# Altium PCB HIVE_BOARD_PCB ASCII REV Project_PCB_Rev.Project_SCH_Rev.PcbDoc (part 2 of 9) (continued)
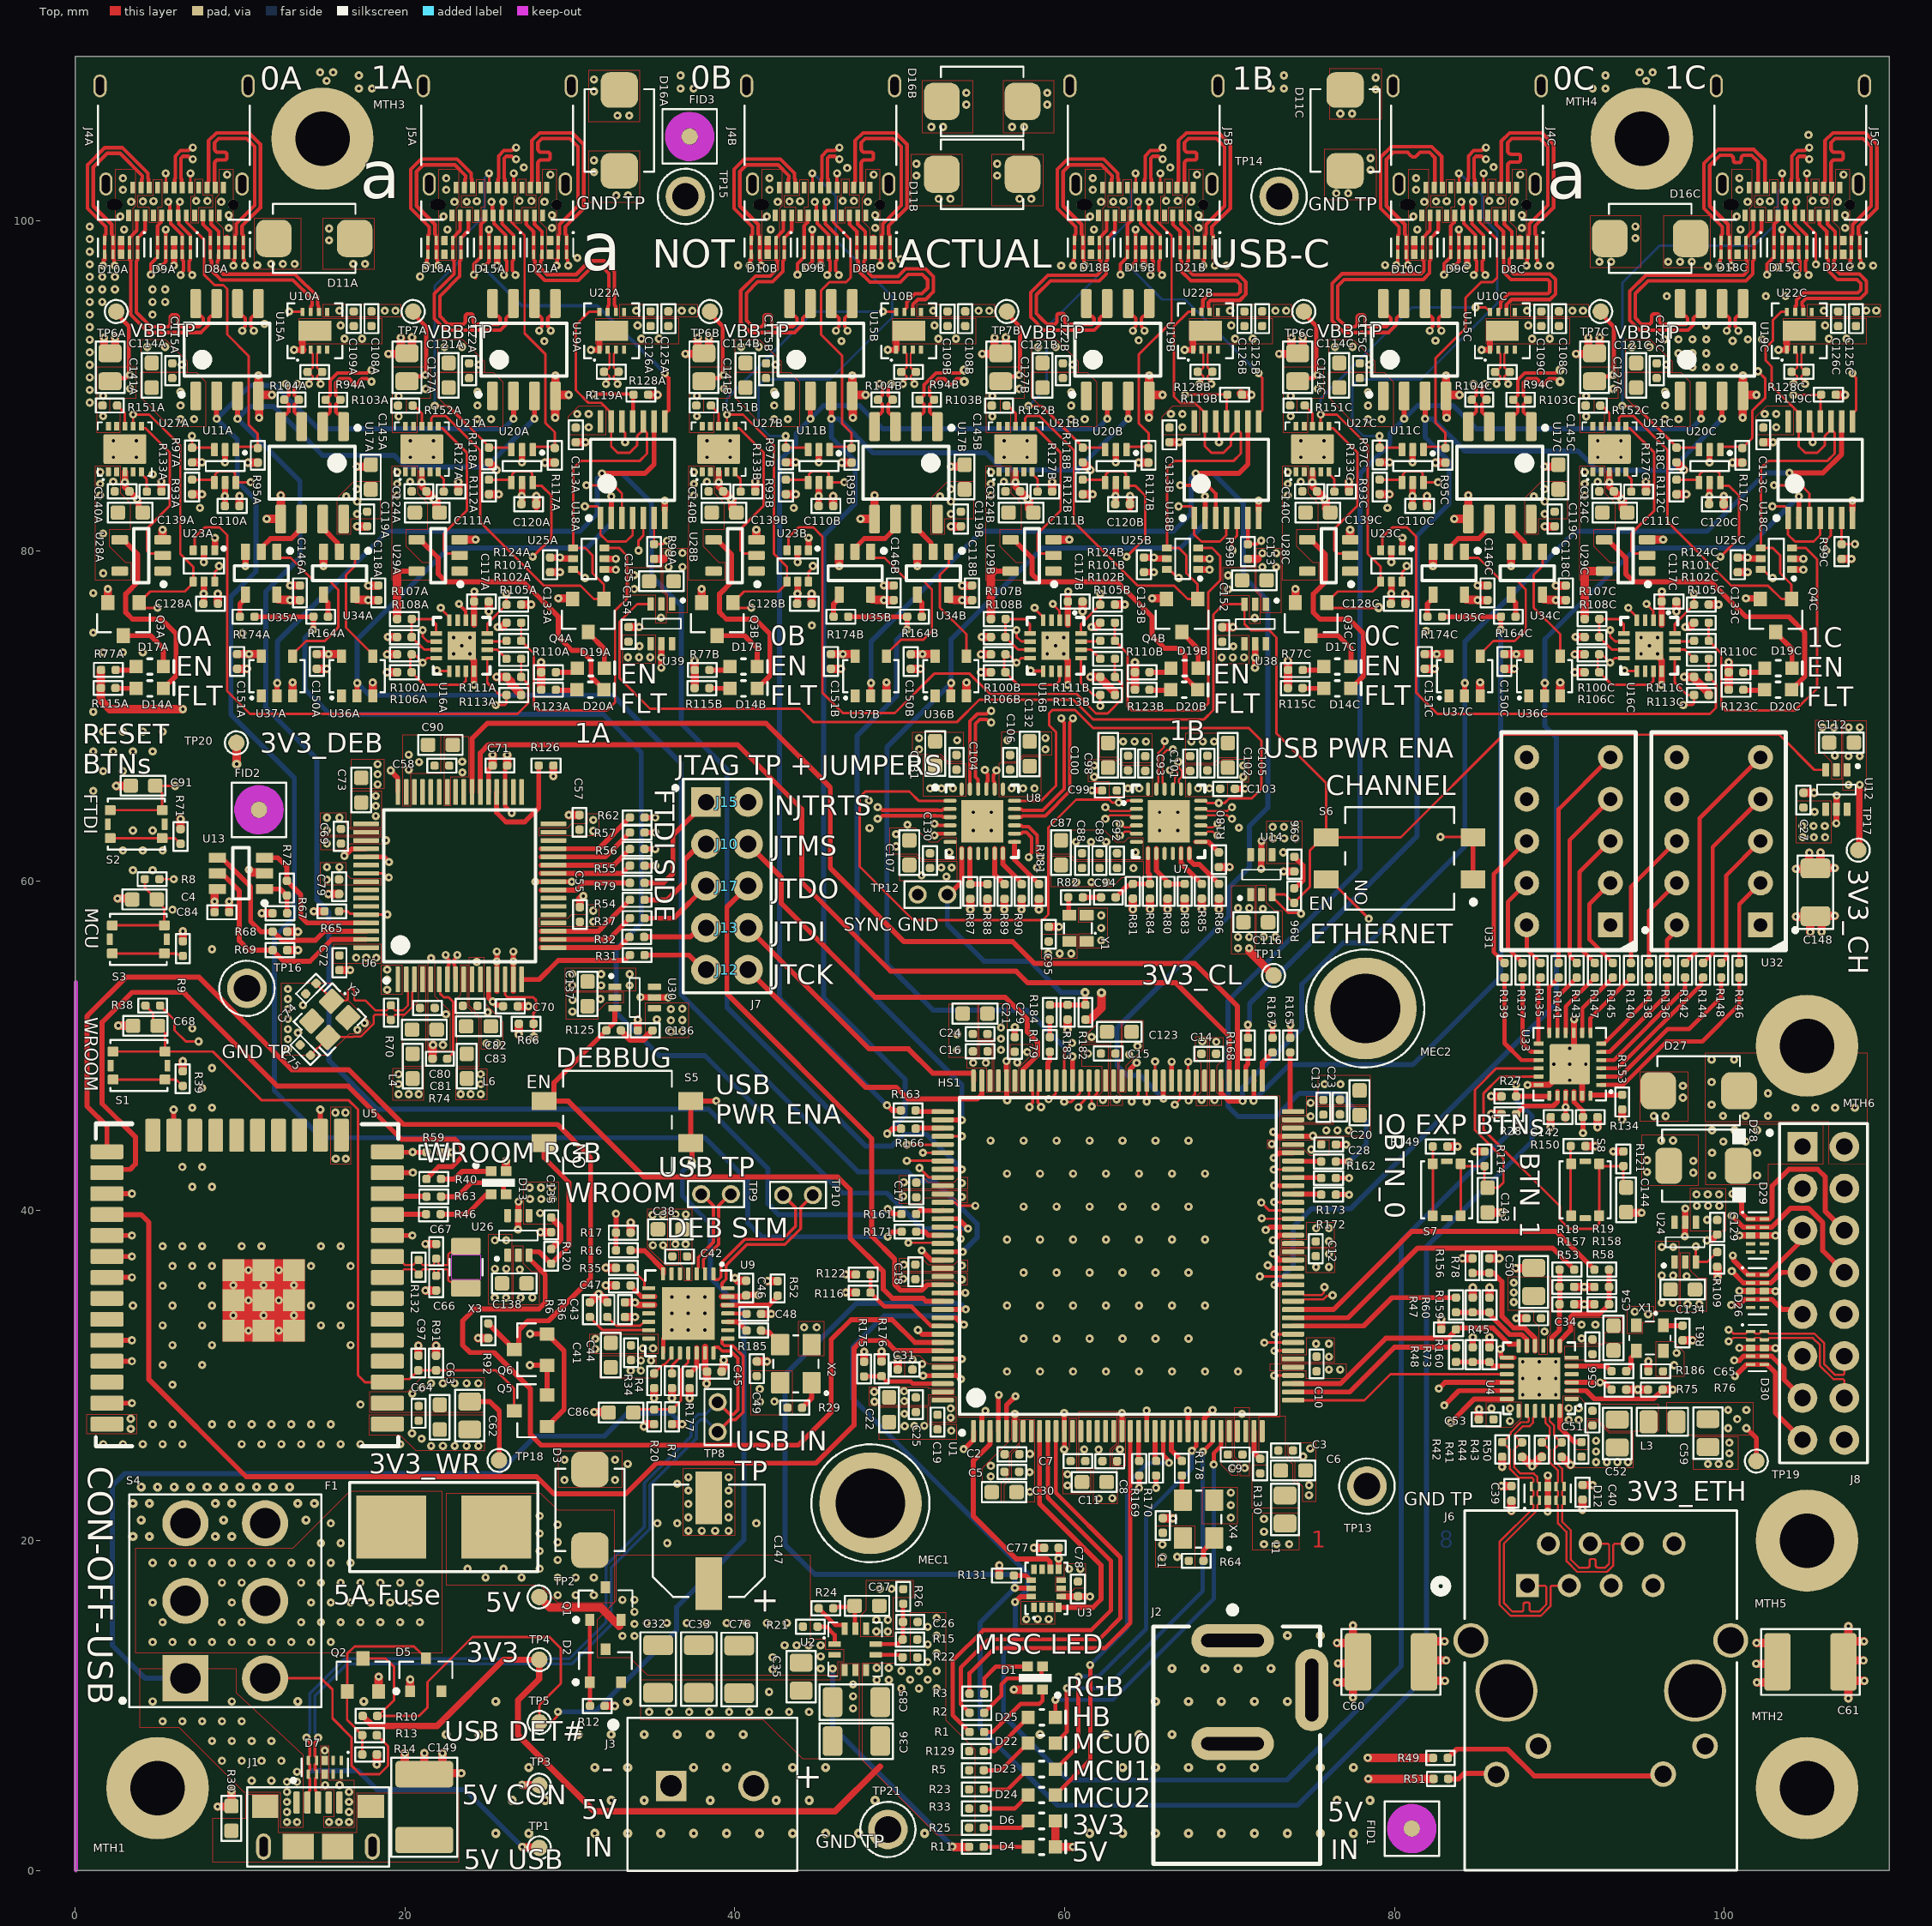
[diagram p0: Top view]
## Components (designator, comment, footprint, x,y, rotation, side; value= is the part's Value field where it differs from the comment) (continued)
R124A "RC0402FR-0710KL" RES_0402 26.601,76.75 r180 top (schematic designator R124)
R124B "RC0402FR-0710KL" RES_0402 62.601,76.75 r180 top (schematic designator R124)
R124C "RC0402FR-0710KL" RES_0402 98.601,76.75 r180 top (schematic designator R124)
R125 "RC0402FR-0710KL" RES_0402 32.65,50.935 r180 top
R126 "RC0402FR-0710KL" RES_0402 28.555,66.995 r0 top
R127A "RC0402FR-0710KL" RES_0402 22.795,83.604 r0 top (schematic designator R127)
R127B "RC0402FR-0710KL" RES_0402 58.795,83.604 r0 top (schematic designator R127)
R127C "RC0402FR-0710KL" RES_0402 94.795,83.604 r0 top (schematic designator R127)
R128A "RC0402FR-07100RP" RES_0402 32.51,90.865 r0 top (schematic designator R128)
R128B "RC0402FR-07100RP" RES_0402 68.51,90.865 r0 top (schematic designator R128)
R128C "RC0402FR-07100RP" RES_0402 104.51,90.865 r0 top (schematic designator R128)
R129 "ERJ-2RKF4750X" RES_0402 54.65,7.239 r0 top
R130 "RC0402FR-0747RL" RES_0402 71.854,24.52 r90 top
R131 "RC0402FR-0710KL" RES_0402 56.475,17.885 r0 top
R132 "RC0402FR-071ML" RES_0402 20.828,36.577 r270 top
R133A "RC0402FR-0710KL" RES_0402 4.795,83.604 r0 top (schematic designator R133)
R133B "RC0402FR-0710KL" RES_0402 40.795,83.604 r0 top (schematic designator R133)
R133C "RC0402FR-0710KL" RES_0402 76.795,83.604 r0 top (schematic designator R133)
R134 "RC0402FR-0710KL" RES_0402 91.864,45.681 r0 top
R135 "RC0402FR-07150RL" RES_0402 88.854,54.582 r90 top
R136 "RC0402FR-07150RL" RES_0402 96.517,54.582 r90 top
R137 "RC0402FR-07150RL" RES_0402 87.759,54.582 r90 top
R138 "RC0402FR-07150RL" RES_0402 95.423,54.582 r90 top
R139 "RC0402FR-07150RL" RES_0402 86.664,54.582 r90 top
R140 "RC0402FR-07150RL" RES_0402 94.328,54.582 r90 top
R141 "RC0402FR-07150RL" RES_0402 89.949,54.582 r90 top
R142 "RC0402FR-07150RL" RES_0402 97.612,54.582 r90 top
R143 "RC0402FR-07150RL" RES_0402 91.043,54.582 r90 top
R144 "RC0402FR-07150RL" RES_0402 98.707,54.582 r90 top
R145 "RC0402FR-07150RL" RES_0402 93.233,54.582 r90 top
R146 "RC0402FR-07150RL" RES_0402 100.897,54.582 r90 top
R147 "RC0402FR-07150RL" RES_0402 92.138,54.582 r90 top
R148 "RC0402FR-07150RL" RES_0402 99.802,54.582 r90 top
R149 "RC0402FR-07150RL" RES_0402 82.759,43.897 r180 top
R150 "RC0402FR-07150RL" RES_0402 91.124,43.922 r180 top
R151A "CRCW04023R48FKED" RES_0402 2.108,88.824 r0 top (schematic designator R151)
R151B "CRCW04023R48FKED" RES_0402 38.108,88.824 r0 top (schematic designator R151)
R151C "CRCW04023R48FKED" RES_0402 74.108,88.824 r0 top (schematic designator R151)
R152A "CRCW04023R48FKED" RES_0402 20.023,88.817 r0 top (schematic designator R152)
R152B "CRCW04023R48FKED" RES_0402 56.023,88.817 r0 top (schematic designator R152)
R152C "CRCW04023R48FKED" RES_0402 92.023,88.817 r0 top (schematic designator R152)
R153 "RC0402FR-0710KL" RES_0402 93.799,46.589 r270 top
R154A "RC0603JR-070RL" RES_0603 13,108.833 r180 bottom (schematic designator R154)
R154B "RC0603JR-070RL" RES_0603 38.25,108.833 r0 bottom (schematic designator R154)
R154C "RC0603JR-070RL" RES_0603 91.25,108.833 r180 bottom (schematic designator R154)
R155A "RC0603JR-070RL" RES_0603 18.75,108.833 r0 bottom (schematic designator R155)
R155B "RC0603JR-070RL" RES_0603 71.75,108.833 r180 bottom (schematic designator R155)
R155C "RC0603JR-070RL" RES_0603 97.5,108.833 r0 bottom (schematic designator R155)
R156 "RC0402FR-0710KL" RES_0402 84.725,36.667 r90 top
R157 "RC0402FR-0710KL" RES_0402 90.442,35.384 r180 top
R158 "RC0402FR-0710KL" RES_0402 92.56,35.379 r0 top
R159 "RC0402FR-0710KL" RES_0402 85.752,34.288 r270 top
R160 "RC0402FR-0710KL" RES_0402 85.752,31.274 r270 top
R161 "RC0402FR-0733RL" RES_0402 50.548,39.799 r0 top
R162 "RC0402FR-0733RL" RES_0402 75.995,42.983 r180 top
R163 "RC0402FR-0733RL" RES_0402 50.511,46.086 r180 top
R164A "RC0402FR-0733RL" RES_0402 14.893,76.016 r180 top (schematic designator R164)
R164B "RC0402FR-0733RL" RES_0402 50.893,76.016 r180 top (schematic designator R164)
R164C "RC0402FR-0733RL" RES_0402 86.893,76.016 r180 top (schematic designator R164)
R165 "RC0402FR-0733RL" RES_0402 73.672,50.042 r270 top
R166 "RC0402FR-0733RL" RES_0402 50.521,44.983 r180 top
R167 "RC0402FR-0733RL" RES_0402 72.599,50.042 r270 top
R168 "RC0402FR-0733RL" RES_0402 71.108,50.042 r270 top
R169 "RC0402FR-0733RL" RES_0402 64.516,24.384 r90 top
R170 "RC0402FR-0733RL" RES_0402 65.54,24.392 r90 top
R171 "RC0402FR-0733RL" RES_0402 50.559,38.735 r180 top
R172 "RC0402FR-0733RL" RES_0402 75.997,40.98 r0 top
R173 "RC0402FR-0733RL" RES_0402 75.997,41.986 r0 top
R174A "RC0402FR-0733RL" RES_0402 10.435,76.016 r0 top (schematic designator R174)
R174B "RC0402FR-0733RL" RES_0402 46.435,76.016 r0 top (schematic designator R174)
R174C "RC0402FR-0733RL" RES_0402 82.435,76.016 r0 top (schematic designator R174)
R175 "RC0402FR-0710KL" RES_0402 47.838,30.4 r90 top
R176 "RC0402FR-0710KL" RES_0402 48.893,30.417 r90 top
R177 "RC0402FR-0710KL" RES_0402 37.266,29.688 r90 top
R178 "RC0402FR-070RL" RES_0402 67.101,24.392 r90 top
R179 "RC0402FR-0733RL" RES_0402 59.101,50.082 r270 top
R180 "RC0402FR-0710KL" RES_0402 69.347,61.28 r270 top
R181 "RC0402FR-0710KL" RES_0402 58.438,59.357 r270 top
R182 "RC0402FR-071KL" RES_0402 61.258,52.038 r270 top
R183 "RC0402FR-071KL" RES_0402 60.179,52.04 r90 top
R184 "RC0402FR-070RL" RES_0402 59.101,52.038 r270 top
R185 "RC0402FR-070RL" RES_0402 41.151,32.741 r180 top
R186 "RC0402FR-070RL" RES_0402 93.601,30.277 r0 top
S1 "435171014816" SWI_TACT_435171014816 3.88,48.805 r180 top
S2 "435171014816" SWI_TACT_435171014816 3.708,63.44 r180 top
S3 "435171014816" SWI_TACT_435171014816 3.833,56.455 r180 top
S4 "500SDP1S1M2QEA" SWI_500SDP1S1M2QEA 9.107,16.353 r90 top
S5 "A6S-2104-H" SWI_A6S-2104-H 32.885,45.373 r180 top
S6 "A6S-2104-H" SWI_A6S-2104-H 80.302,61.365 r180 top
S7 "435171014816" SWI_TACT_435171014816 83.16,41.28 r90 top
S8 "435171014816" SWI_TACT_435171014816 91.557,41.274 r90 top
TP1 "1 MM" TPO_SMD_ROUND_1MM 28.143,1.375 r0 top
TP2 "1 MM" TPO_SMD_ROUND_1MM 28.143,16.586 r270 top
TP3 "1 MM" TPO_SMD_ROUND_1MM 28.143,5.178 r90 top
TP4 "1 MM" TPO_SMD_ROUND_1MM 28.143,12.783 r90 top
TP5 "1 MM" TPO_SMD_ROUND_1MM 28.143,8.98 r90 top
TP6A "1 MM" TPO_SMD_ROUND_1MM 2.498,94.518 r90 top (schematic designator TP6)
TP6B "1 MM" TPO_SMD_ROUND_1MM 38.498,94.518 r90 top (schematic designator TP6)
TP6C "1 MM" TPO_SMD_ROUND_1MM 74.498,94.518 r90 top (schematic designator TP6)
TP7A "1 MM" TPO_SMD_ROUND_1MM 20.498,94.518 r90 top (schematic designator TP7)
TP7B "1 MM" TPO_SMD_ROUND_1MM 56.498,94.518 r90 top (schematic designator TP7)
TP7C "1 MM" TPO_SMD_ROUND_1MM 92.498,94.518 r90 top (schematic designator TP7)
TP8 "TH ROUND x2" TPO_TH_ROUND_0.7mm_DOUBLE 38.96,27.493 r270 top
TP9 "TH ROUND x2" TPO_TH_ROUND_0.7mm_DOUBLE 38.86,41.009 r0 top
TP10 "TH ROUND x2" TPO_TH_ROUND_0.7mm_DOUBLE 43.835,40.952 r0 top
TP11 "1 MM" TPO_SMD_ROUND_1MM 72.662,54.268 r90 top
TP12 "TH ROUND x2" TPO_TH_ROUND_0.7mm_DOUBLE 51.982,59.171 r180 top
TP13 "5011" TPO_5011 78.327,23.304 r0 top
TP14 "5011" TPO_5011 73,101.5 r0 top locked
TP15 "5011" TPO_5011 37,101.5 r0 top locked
TP16 "5011" TPO_5011 10.425,53.483 r0 top
TP17 "1 MM" TPO_SMD_ROUND_1MM 108.109,61.865 r90 top
TP18 "1 MM" TPO_SMD_ROUND_1MM 25.705,24.867 r90 top
TP19 "1 MM" TPO_SMD_ROUND_1MM 101.935,24.823 r90 top
TP20 "1 MM" TPO_SMD_ROUND_1MM 9.782,68.372 r90 top
TP21 "5011" TPO_5011 49.279,2.492 r0 top
U1 "STM32H735ZGT6" MCU_STM32H735ZGT6 63.226,37.264 r90 top locked
U2 "RPL-3.0-CT" REG_SWR_RPL-3.0-CT 47.304,13.406 r0 top
U3 "LSM6DSMTR" SEN_IMU_LSM6DSMTR 58.884,17.109 r270 top
U4 "LAN8742A-CZ" COM_ETH_LAN8742A-CZ-TR 88.769,29.841 r180 top
U5 "ESP32-WROOM-32UE (4MB)" COM_ESP32-WROOM-32UE(8MB) 10.432,34.569 r180 top
U6 "FT4232HL-REEL" COM_USB_FT4232HL-REEL 23.321,59.702 r90 top
U7 "SI53342-B-GM" TIM_FAN_SI53342-B-GM 66.304,63.613 r0 top
U8 "SI53342-B-GM" TIM_FAN_SI53342-B-GM 55.004,63.613 r0 top
U9 "USB2412-DZK" USB_USB2412-DZK 37.179,33.778 r270 top
U10A "DS90LV001TLD/NOPB" COM_BUF_DS90LV001TLD/NOPB 14.536,93.351 r90 top (schematic designator U10)
U10B "DS90LV001TLD/NOPB" COM_BUF_DS90LV001TLD/NOPB 50.536,93.351 r90 top (schematic designator U10)
U10C "DS90LV001TLD/NOPB" COM_BUF_DS90LV001TLD/NOPB 86.536,93.351 r90 top (schematic designator U10)
U11A "TC7PZ05FU,LJ(CT" LOG_BUF_TC7PZ05FU,LJ(CT 9.102,85.146 r270 top (schematic designator U11)
U11B "TC7PZ05FU,LJ(CT" LOG_BUF_TC7PZ05FU,LJ(CT 45.102,85.146 r270 top (schematic designator U11)
U11C "TC7PZ05FU,LJ(CT" LOG_BUF_TC7PZ05FU,LJ(CT 81.102,85.146 r270 top (schematic designator U11)
U12 "MIC94072YC6-TR" POW_MIC94072YC6-TR 106.788,65.534 r270 top
U13 "93LC46BT-E/OT" MEM_EEPROM_93LC46BT-E/OT 10.061,60.456 r180 top
U14 "MIC94072YC6-TR" POW_MIC94072YC6-TR 71.925,60.377 r90 top
U15A "FIN1027AMX" COM_XCV_FIN1027AMCOM 9.216,92.202 r90 top (schematic designator U15)
U15B "FIN1027AMX" COM_XCV_FIN1027AMCOM 45.216,92.202 r90 top (schematic designator U15)
U15C "FIN1027AMX" COM_XCV_FIN1027AMCOM 81.216,92.202 r90 top (schematic designator U15)
U16A "LM339LVRTER" CMP_LM339LVRTER 23.444,74.256 r270 top (schematic designator U16)
U16B "LM339LVRTER" CMP_LM339LVRTER 59.444,74.256 r270 top (schematic designator U16)
U16C "LM339LVRTER" CMP_LM339LVRTER 95.444,74.256 r270 top (schematic designator U16)
U17A "FIN1028MX" COM_XCV_FIN1028MX 14.375,84.742 r270 top (schematic designator U17)
U17B "FIN1028MX" COM_XCV_FIN1028MX 50.375,84.742 r270 top (schematic designator U17)
U17C "FIN1028MX" COM_XCV_FIN1028MX 86.375,84.742 r270 top (schematic designator U17)
U18A "74LVC126APW,118" LOG_BUF_74LVC126APW,118 33.805,84.925 r90 top (schematic designator U18)
U18B "74LVC126APW,118" LOG_BUF_74LVC126APW,118 69.805,84.925 r90 top (schematic designator U18)
U18C "74LVC126APW,118" LOG_BUF_74LVC126APW,118 105.805,84.925 r90 top (schematic designator U18)
U19A "FIN1027AMX" COM_XCV_FIN1027AMCOM 27.216,92.202 r90 top (schematic designator U19)
U19B "FIN1027AMX" COM_XCV_FIN1027AMCOM 63.216,92.202 r90 top (schematic designator U19)
U19C "FIN1027AMX" COM_XCV_FIN1027AMCOM 99.216,92.202 r90 top (schematic designator U19)
U20A "TC7PZ05FU,LJ(CT" LOG_BUF_TC7PZ05FU,LJ(CT 27.102,85.146 r270 top (schematic designator U20)
U20B "TC7PZ05FU,LJ(CT" LOG_BUF_TC7PZ05FU,LJ(CT 63.102,85.146 r270 top (schematic designator U20)
U20C "TC7PZ05FU,LJ(CT" LOG_BUF_TC7PZ05FU,LJ(CT 99.102,85.146 r270 top (schematic designator U20)
U21A "NIS6150MT1TXG" POW_NIS6150MT1TXG 21.023,86.182 r90 top (schematic designator U21)
U21B "NIS6150MT1TXG" POW_NIS6150MT1TXG 57.023,86.182 r90 top (schematic designator U21)
U21C "NIS6150MT1TXG" POW_NIS6150MT1TXG 93.023,86.182 r90 top (schematic designator U21)
U22A "DS90LV001TLD/NOPB" COM_BUF_DS90LV001TLD/NOPB 32.536,93.351 r90 top (schematic designator U22)
U22B "DS90LV001TLD/NOPB" COM_BUF_DS90LV001TLD/NOPB 68.536,93.351 r90 top (schematic designator U22)
U22C "DS90LV001TLD/NOPB" COM_BUF_DS90LV001TLD/NOPB 104.536,93.351 r90 top (schematic designator U22)
U23A "74LVC1G11DW-7" LOG_AND_74LVC1G11DW-7 7.812,79.091 r270 top (schematic designator U23)
U23B "74LVC1G11DW-7" LOG_AND_74LVC1G11DW-7 43.812,79.091 r270 top (schematic designator U23)
U23C "74LVC1G11DW-7" LOG_AND_74LVC1G11DW-7 79.812,79.091 r270 top (schematic designator U23)
U24 "MIC94072YC6-TR" POW_MIC94072YC6-TR 97.619,38.098 r90 top
U25A "74LVC1G11DW-7" LOG_AND_74LVC1G11DW-7 31.15,79.53 r180 top (schematic designator U25)
U25B "74LVC1G11DW-7" LOG_AND_74LVC1G11DW-7 67.15,79.53 r180 top (schematic designator U25)
U25C "74LVC1G11DW-7" LOG_AND_74LVC1G11DW-7 103.15,79.53 r180 top (schematic designator U25)
U26 "MIC94072YC6-TR" POW_MIC94072YC6-TR 26.873,38.508 r90 top
U27A "NIS6150MT1TXG" POW_NIS6150MT1TXG 3.023,86.182 r90 top (schematic designator U27)
U27B "NIS6150MT1TXG" POW_NIS6150MT1TXG 39.023,86.182 r90 top (schematic designator U27)
U27C "NIS6150MT1TXG" POW_NIS6150MT1TXG 75.023,86.182 r90 top (schematic designator U27)
U28A "74AHC1G07GV,125" "LOG_BUF_ 74AHC1G07GV,125" 4.013,79.731 r180 top (schematic designator U28)
U28B "74AHC1G07GV,125" "LOG_BUF_ 74AHC1G07GV,125" 40.013,79.731 r180 top (schematic designator U28)
U28C "74AHC1G07GV,125" "LOG_BUF_ 74AHC1G07GV,125" 76.013,79.731 r180 top (schematic designator U28)
U29A "74AHC1G07GV,125" "LOG_BUF_ 74AHC1G07GV,125" 22.013,79.731 r180 top (schematic designator U29)
U29B "74AHC1G07GV,125" "LOG_BUF_ 74AHC1G07GV,125" 58.013,79.731 r180 top (schematic designator U29)
U29C "74AHC1G07GV,125" "LOG_BUF_ 74AHC1G07GV,125" 94.013,79.731 r180 top (schematic designator U29)
U30 "MIC94072YC6-TR" POW_MIC94072YC6-TR 33.924,52.931 r0 top
U31 "INND-TS30RAB" LED_7SEG_INND-TS30RAB 90.548,62.41 r180 top
U32 "INND-TS30RAB" LED_7SEG_INND-TS30RAB 99.644,62.41 r180 top
U33 "TCA9539RGER" LOG_IOEXP_TCA9539RGER 90.624,48.886 r180 top
U34A "74LVC1G126GV,125" "LOG_BUF_ 74LVC1G126GV,125" 16.023,78.658 r270 top (schematic designator U34)
U34B "74LVC1G126GV,125" "LOG_BUF_ 74LVC1G126GV,125" 52.023,78.658 r270 top (schematic designator U34)
U34C "74LVC1G126GV,125" "LOG_BUF_ 74LVC1G126GV,125" 88.023,78.658 r270 top (schematic designator U34)
U35A "74LVC1G126GV,125" "LOG_BUF_ 74LVC1G126GV,125" 11.284,78.658 r270 top (schematic designator U35)
U35B "74LVC1G126GV,125" "LOG_BUF_ 74LVC1G126GV,125" 47.284,78.658 r270 top (schematic designator U35)
U35C "74LVC1G126GV,125" "LOG_BUF_ 74LVC1G126GV,125" 83.284,78.658 r270 top (schematic designator U35)
U36A "74LVC1G04GV" LOG_INV_74LVC1G04GV 17.094,72.415 r0 top (schematic designator U36)
U36B "74LVC1G04GV" LOG_INV_74LVC1G04GV 53.094,72.415 r0 top (schematic designator U36)
U36C "74LVC1G04GV" LOG_INV_74LVC1G04GV 89.094,72.415 r0 top (schematic designator U36)
U37A "74LVC1G04GV" LOG_INV_74LVC1G04GV 12.243,72.415 r0 top (schematic designator U37)
U37B "74LVC1G04GV" LOG_INV_74LVC1G04GV 48.243,72.415 r0 top (schematic designator U37)
U37C "74LVC1G04GV" LOG_INV_74LVC1G04GV 84.243,72.415 r0 top (schematic designator U37)
U38 "MIC94072YC6-TR" POW_MIC94072YC6-TR 71.55,75.574 r270 top
U39 "MIC94072YC6-TR" POW_MIC94072YC6-TR 35.55,75.585 r270 top
X1 "ASDM1-25.000MHZ-LC-T" OSC_CRY_ASDM1-25.000MHZ-LC-T 95.479,32.283 r180 top
X2 "O 24,0-JO32-B-1V3-1-T1-LF" "OSC_O 24,0-JO32-B-1V3-1-T1-LF" 43.701,30.726 r90 top
X3 "VMK3-9005-32K7680000" CRY_VMK3-9005-32K7680000 23.698,36.576 r90 top
X4 "O 24,0-JO32-B-1V3-1-T1-LF" "OSC_O 24,0-JO32-B-1V3-1-T1-LF" 68.113,21.31 r90 top
Y1 "O 38,40-JT21G-E-M-3,3-LF" "OSC_O 38,40-JT21G-E-M-3,3-LF" 60.803,57.125 r180 top
Y3 "FA-20H 12.0000MD30Z-K3" CRY_FA-20H 15.445,51.607 r225 top

## Footprints (in the part's own frame and the unit in brackets; to place one, negate y for a bottom-side part, rotate by r counter-clockwise, add the part's x,y. Pads: shape width x height; smd on the part's side, far side on the other; paste and mask are expansions set on the pad)
CAP_CER_0402 [mil] "Ceramic Capacitor - 0402"
  rrect60% 20x20 smd paste+0 mask+0: 1(-17.5,0) 2(17.5,0)
  silkscreen extent -34,-17 34,17
CAP_CER_0603 [mil] "Ceramic Capacitor - 0603"
  rrect35% 35x34 smd paste+0 mask+0: 1(-29.5,0) 2(29.5,0)
  silkscreen extent -53,-24 53,24
CAP_CER_0805 [mil] "Ceramic Capacitor - 0805"
  rrect37% 43x55 smd paste+0 mask+0: 1(-33.5,0) 2(33.5,0)
  silkscreen extent -62,-34 62,35
CAP_CER_1206 [mil] "Ceramic Capacitor - 1206"
  rrect34% 47x71 smd paste+0 mask+0: 1(-57,0) 2(57,0)
  silkscreen extent -88,-42 88,43
CAP_CER_1812 [mm]
  rrect25% 1.6x3.5 smd paste-0.025 mask+0: 1(-2,0) 2(2,0)
  silkscreen extent -3,-2 3,2
CAP_POLY_APXG160ARA221MF80G [mm]
  rect 3.21x1.62 smd paste-0.025 mask+0: 1(-2.6,0) 2(2.6,0)
  silkscreen extent -3.4,-3.4 3.4,3.4
CMP_LM339LVRTER [mm] "WQFN-16"
  rrect10% 0.7x0.28 smd paste-0.025 mask+0: 1(-1.55,0.75) 2(-1.55,0.25) 3(-1.55,-0.25) 4(-1.55,-0.75) 9(1.55,-0.75) 10(1.55,-0.25) 11(1.55,0.25) 12(1.55,0.75)
  rrect10% 0.28x0.7 smd paste-0.025 mask+0: 5(-0.75,-1.55) 6(-0.25,-1.55) 7(0.25,-1.55) 8(0.75,-1.55) 13(0.75,1.55) 14(0.25,1.55) 15(-0.25,1.55) 16(-0.75,1.55)
  rect 1.7x1.7 smd paste-1.7 mask+0: 17(0,0)
  silkscreen extent -1.73,-1.73 1.73,1.73
COM_BUF_DS90LV001TLD/NOPB [mm] "SON, 8-Leads, Body 3.00x3.00mm, Pitch 0.50mm, Thermal Pad 2.00x1.20mm, IPC Medium Density"
  rect 0.5x0.25 smd paste-0.025 mask+0: 1(-1.15,0.75) 2(-1.15,0.25) 3(-1.15,-0.25) 4(-1.15,-0.75) 5(1.15,-0.75) 6(1.15,-0.25) 7(1.15,0.25) 8(1.15,0.75)
  rect 1.2x2 smd paste-0.025 mask+0: 9(0,0)
  silkscreen extent -1.82,-1.66 1.66,1.66
COM_ESP32-WROOM-32UE(8MB) [mm]
  rrect20% 2x0.9 smd paste-0.025 mask+0: 1(-8.5,7.5) 2(-8.5,6.23) 3(-8.5,4.96) 4(-8.5,3.69) 5(-8.5,2.42) 6(-8.5,1.15) 7(-8.5,-0.12) 8(-8.5,-1.39) 9(-8.5,-2.66) 10(-8.5,-3.93) 11(-8.5,-5.2) 12(-8.5,-6.47) 13(-8.5,-7.74) 14(-8.5,-9.01) 25(8.5,-9.01) 26(8.5,-7.74) 27(8.5,-6.47) 28(8.5,-5.2) 29(8.5,-3.93) 30(8.5,-2.66) 31(8.5,-1.39) 32(8.5,-0.12) 33(8.5,1.15) 34(8.5,2.42) 35(8.5,3.69) 36(8.5,4.96) 37(8.5,6.23) 38(8.5,7.5)
  rrect20% 0.9x2 smd paste-0.025 mask+0: 15(-5.715,-10.01) 16(-4.445,-10.01) 17(-3.175,-10.01) 18(-1.905,-10.01) 19(-0.635,-10.01) 20(0.635,-10.01) 21(1.905,-10.01) 22(3.175,-10.01) 23(4.445,-10.01) 24(5.715,-10.01)
  rrect0% 1.33x1.33 smd paste-0.025 mask+0: 39(-2.835,1.835) 39(-2.835,0) 39(-2.835,-1.835) 39(-1,1.835) 39(-1,0) 39(-1,-1.835) 39(0.835,1.835) 39(0.835,0) 39(0.835,-1.835)
  Top region: -3.5,-2.5 1.5,-2.5 1.5,2.5 -3.5,2.5
  silkscreen extent -9.17,-10.73 9.17,8.83
COM_ETH_LAN8742A-CZ-TR [mm] "24SQFN"
  rrect50% 0.85x0.25 smd paste+0 mask+0: 1(-1.968,1.25) 2(-1.968,0.75) 3(-1.968,0.25) 4(-1.968,-0.25) 5(-1.968,-0.75) 6(-1.968,-1.25) 13(1.968,-1.25) 14(1.968,-0.75) 15(1.968,-0.25) 16(1.968,0.25) 17(1.968,0.75) 18(1.968,1.25)
  rrect50% 0.25x0.85 smd paste+0 mask+0: 7(-1.25,-1.968) 8(-0.75,-1.968) 9(-0.25,-1.968) 10(0.25,-1.968) 11(0.75,-1.968) 12(1.25,-1.968) 19(1.25,1.968) 20(0.75,1.968) 21(0.25,1.968) 22(-0.25,1.968) 23(-0.75,1.968) 24(-1.25,1.968)
  rect 2.55x2.55 smd paste-1.283 mask+0: 25(0,0)
  silkscreen extent -2.54,-2.17 2.17,2.17
COM_USB_FT4232HL-REEL [mm] "TSQFP, 64-Leads, Body 10,00x10,00mm"
  rrect25% 1.56x0.28 smd paste-0.025 mask+0: 1(-5.68,3.75) 2(-5.68,3.25) 3(-5.68,2.75) 4(-5.68,2.25) 5(-5.68,1.75) 6(-5.68,1.25) 7(-5.68,0.75) 8(-5.68,0.25) 9(-5.68,-0.25) 10(-5.68,-0.75) 11(-5.68,-1.25) 12(-5.68,-1.75) 13(-5.68,-2.25) 14(-5.68,-2.75) 15(-5.68,-3.25) 16(-5.68,-3.75) 33(5.68,-3.75) 34(5.68,-3.25) 35(5.68,-2.75) 36(5.68,-2.25) 37(5.68,-1.75) 38(5.68,-1.25) 39(5.68,-0.75) 40(5.68,-0.25) 41(5.68,0.25) 42(5.68,0.75) 43(5.68,1.25) 44(5.68,1.75) 45(5.68,2.25) 46(5.68,2.75) 47(5.68,3.25) 48(5.68,3.75)
  rrect25% 0.28x1.56 smd paste-0.025 mask+0: 17(-3.75,-5.68) 18(-3.25,-5.68) 19(-2.75,-5.68) 20(-2.25,-5.68) 21(-1.75,-5.68) 22(-1.25,-5.68) 23(-0.75,-5.68) 24(-0.25,-5.68) 25(0.25,-5.68) 26(0.75,-5.68) 27(1.25,-5.68) 28(1.75,-5.68) 29(2.25,-5.68) 30(2.75,-5.68) 31(3.25,-5.68) 32(3.75,-5.68) 49(3.75,5.68) 50(3.25,5.68) 51(2.75,5.68) 52(2.25,5.68) 53(1.75,5.68) 54(1.25,5.68) 55(0.75,5.68) 56(0.25,5.68) 57(-0.25,5.68) 58(-0.75,5.68) 59(-1.25,5.68) 60(-1.75,5.68) 61(-2.25,5.68) 62(-2.75,5.68) 63(-3.25,5.68) 64(-3.75,5.68)
  silkscreen extent -5.87,-4.6 4.6,4.6
COM_XCV_FIN1027AMCOM [mm] "8-SOIC"
  rrect30% 1.75x0.65 smd paste-0.025 mask+0: 1(-2.8,1.905) 2(-2.8,0.635) 3(-2.8,-0.635) 4(-2.8,-1.905) 5(2.8,-1.905) 6(2.8,-0.635) 7(2.8,0.635) 8(2.8,1.905)
  silkscreen extent -2.85,-2.6 1.6,2.88
COM_XCV_FIN1028MX [mm] "8-SOIC"
  rrect30% 1.75x0.65 smd paste-0.025 mask+0: 1(-2.8,1.905) 2(-2.8,0.635) 3(-2.8,-0.635) 4(-2.8,-1.905) 5(2.8,-1.905) 6(2.8,-0.635) 7(2.8,0.635) 8(2.8,1.905)
  silkscreen extent -2.85,-2.6 1.6,2.88
"CON_ 1935161" [mm]
  rect 1.85x1.85 hole 1.3: 1(0,0)
  round 1.85 hole 1.3: 2(5,0)
  silkscreen extent -3.63,-5.16 7.65,4.14
CON_ETH_J1B1211CCD_WIZ [mil] "ETH with mags"
  round 148 hole 128: 0(-75,-101.57) 0(375,-101.57)
  rect 55x55 / inner round 55 / far side round 55 hole 35.43 mask+0: 1(-25,149.21)
  round 55 hole 35.43 mask+0: 2(25,249.21) 3(75,149.21) 4(125,249.21) 5(175,149.21) 6(225,249.21) 7(275,149.21) 8(325,249.21)
  round 61 hole 41: 9(-99.02,-301.57) 10(0.98,-233.86) 11(299.02,-300.79) 12(399.02,-233.86)
  round 83 hole 63: 13(-160.04,18.5) 14(460.04,18.5)
  silkscreen extent -247,-530 475,328
CON_HDR_PREC008DAAN-RC [mm]
  rect 1.8x1.8 hole 1: 1(-1.27,8.89)
  round 1.8 hole 1: 2(1.27,8.89) 3(-1.27,6.35) 4(1.27,6.35) 5(-1.27,3.81) 6(1.27,3.81) 7(-1.27,1.27) 8(1.27,1.27) 9(-1.27,-1.27) 10(1.27,-1.27) 11(-1.27,-3.81) 12(1.27,-3.81) 13(-1.27,-6.35) 14(1.27,-6.35) 15(-1.27,-8.89) 16(1.27,-8.89)
  silkscreen extent -3.38,-10.29 2.67,10.29
CON_HDR_PREC009DAAN-RC [mm] "18 pin header 100 mils"
  rect 1.8x1.8 hole 1: 1(-1.27,5.08)
  round 1.8 hole 1: 2(1.27,5.08) 3(-1.27,2.54) 4(1.27,2.54) 5(-1.27,0) 6(1.27,0) 7(-1.27,-2.54) 8(1.27,-2.54) 9(-1.27,-5.08) 10(1.27,-5.08)
  silkscreen extent -3.26,-6.48 2.67,6.48
CON_JMP_SNT-100-BK-T-H [mm] "100 Mil Header Jumper"
CON_PWR_PJ-002A [mm]
  oval 2x5 hole 0.8 slot 3.8 at 90 deg mask+0: 1(-6.25,0) 2(0,0)
  oval 5x2 hole 0.8 slot 3.8 at 0 deg mask+0: 3(-3.25,4.8)
  silkscreen extent -8.31,-4.8 7.29,5.3
CON_USB_3.2_TypeC_12401598E4#2A [mm]
  oval 0.8x1.4 hole 0.5 slot 1.1 at 90 deg paste+0 mask+0: 1(-4.13,-1.25) 2(-4.49,-7.2) 3(4.49,-7.2) 4(4.13,-1.25)
  rect 0.3x0.7 smd paste-0.025 mask+0: A1(-2.75,0.66) A2(-2.25,0.66) A3(-1.75,0.66) A4(-1.25,0.66) A5(-0.75,0.66) A6(-0.25,0.66) A7(0.25,0.66) A8(0.75,0.66) A9(1.25,0.66) A10(1.75,0.66) A11(2.25,0.66) A12(2.75,0.66) B1(2.5,-1.04) B2(2,-1.04) B3(1.5,-1.04) B4(1,-1.04) B5(0.5,-1.04) B6(0,-1.04) B7(-0.5,-1.04) B8(-1,-1.04) B9(-1.5,-1.04) B10(-2,-1.04) B11(-2.5,-1.04) B12(-3,-1.04)
  round 0.65 hole 0.65 unplated mask+0: ""(-3.6,0)
  oval 0.95x0.65 hole 0.65 slot 0.95 at 0 deg paste+0 mask+0: ""(3.6,0)
  silkscreen extent -4.6,-6 4.6,0.91
CON_USB_10118194-0001LF [mm] "CONN USB MICRO B RECPT SMT R/A"
  rrect50% 0.4x1.35 smd paste-0.05 mask+0: 1(-1.3,2.675) 2(-0.65,2.675) 3(0,2.675) 4(0.65,2.675) 5(1.3,2.675)
  rect 1.6x1.4 smd paste-0.05 mask+0: 6(3.2,2.45) 11(-3.2,2.45)
  rrect100% 0.9x1.6 hole 0.5 slot 1.2 at 90 deg mask+0: 7(3.3,0) 10(-3.3,0)
  rect 1.9x1.55 smd paste-0.05 mask+0: 8(1.2,0) 9(-1.2,0)
  silkscreen extent -4.3,-1.2 4.3,4.11
CRY_FA-20H [mm] "CRY - FA-20H 4-SMD"
  rrect20% 1.2x1.1 smd paste-0.025 mask+0: 1(-0.85,-0.7) 2(0.85,-0.7) 3(0.85,0.7) 4(-0.85,0.7)
  silkscreen extent -1.8,-1.45 1.65,1.45
CRY_VMK3-9005-32K7680000 [mm] "CRY - 32.768KHZ tol:20ppm 9PF - 2-SMD"
  rrect20% 1x1.8 smd paste-0.025 mask+0: 1(-1.275,0) 2(1.275,0)
  Top keep-out region: -0.725,-0.9 0.725,-0.9 0.725,0.9 -0.725,0.9
  silkscreen extent -0.5,-1 0.5,1
DIO_EAST1616RGBA3 [mm] "Diode Red/Green/Blue"
  rect 0.6x0.65 smd paste-0.025 mask+0: 1(0.7,0.45) 2(-0.7,0.45) 3(0.7,-0.45) 4(-0.7,-0.45)
  silkscreen extent -0.25,-1 1.14,1.47
DIO_ZENER_BZX84-B4V3,215 [mm]
  rect 0.7x0.6 smd paste-0.025 mask+0: 1(-1,0.95) 2(-1,-0.95) 3(1,0)
  silkscreen extent -1.12,-1.6 0.81,1.92
FER_0402 [mil] "Ferrite - 0402"
  rrect60% 20x20 smd paste+0 mask+0: 1(-17.5,0) 2(17.5,0)
  silkscreen extent -33,-17 33,17
FER_0603 [mil] "Ferrite - 0603"
  rrect35% 35x34 smd paste+0 mask+0: 1(-29.5,0) 2(29.5,0)
  silkscreen extent -53,-24 53,24
FER_0805 [mil] "Ferrite - 0805"
  rrect37% 43x55 smd paste+0 mask+0: 1(-33.5,0) 2(33.5,0)
  silkscreen extent -61,-33 61,33
FID_CIRCLE_1MM [mm]
  round 1 smd paste-1 mask+0: 1(0,0)
  round 1 smd far side paste-1 mask+0: 2(0,0)
  Top keep-out circle w1: c0,0 r1
  Bottom keep-out circle w1: c0,0 r1
  silkscreen extent -1.65,-1.65 1.65,1.65
FUS_0154XXX.DR [mm] "FUSE BRD MNT 2SMD"
  rect 4.242x3.81 smd paste+0 mask+0: 1(-3.185,0) 2(3.185,0)
  silkscreen extent -5.7,-2.7 5.7,2.7
LED_7SEG_INND-TS30RAB [mm] "100milsx200mils TH"
  rect 1.51x1.51 hole 0.81: 1(-2.54,5.08)
  round 1.51 hole 0.81: 2(-2.54,2.54) 3(-2.54,0) 4(-2.54,-2.54) 5(-2.54,-5.08) 6(2.54,-5.08) 7(2.54,-2.54) 8(2.54,0) 9(2.54,2.54) 10(2.54,5.08)
  silkscreen extent -4.76,-6.6 4.08,6.6
LED_SML-D12P8WT86 [mm] "0603"
  rect 0.8x0.8 smd paste-0.025 mask+0: A(0.825,0) K(-0.825,0)
  silkscreen extent -1.45,-0.48 0.13,0.48
LED_SML-D12U8WT86 [mm] "0603"
  rect 0.8x0.8 smd paste-0.025 mask+0: A(0.825,0) K(-0.825,0)
  silkscreen extent -1.45,-0.48 0.13,0.48
LOG_AND_74LVC1G11DW-7 [mm] "SOT23, 6-Leads, Body 2,00x2,10mm, Pitch 0,65mm, IPC Medium Density"
  rrect20% 0.6x0.42 smd paste-0.025 mask+0: 1(-0.95,0.65) 2(-0.95,0) 3(-0.95,-0.65) 4(0.95,-0.65) 5(0.95,0) 6(0.95,0.65)
  silkscreen extent -1.13,-1.22 0.45,1.27
LOG_BUF_74LVC126APW,118 [mm]
  rrect20% 1.35x0.35 smd paste-0.025 mask+0: 1(-2.925,1.95) 2(-2.925,1.3) 3(-2.925,0.65) 4(-2.925,0) 5(-2.925,-0.65) 6(-2.925,-1.3) 7(-2.925,-1.95) 8(2.925,-1.95) 9(2.925,-1.3) 10(2.925,-0.65) 11(2.925,0) 12(2.925,0.65) 13(2.925,1.3) 14(2.925,1.95)
  silkscreen extent -3.05,-2.55 1.85,2.77
"LOG_BUF_ 74AHC1G07GV,125" [mm]
  rrect20% 1x0.55 smd paste-0.025 mask+0: 1(-1.3,0.95) 2(-1.3,0) 3(-1.3,-0.95) 4(1.3,-0.95) 5(1.3,0.95)
  silkscreen extent -1.47,-1.62 0.45,1.87
"LOG_BUF_ 74LVC1G126GV,125" [mm]
  rrect20% 1x0.55 smd paste-0.025 mask+0: 1(-1.3,0.95) 2(-1.3,0) 3(-1.3,-0.95) 4(1.3,-0.95) 5(1.3,0.95)
  silkscreen extent -1.47,-1.62 0.45,1.88
LOG_BUF_TC7PZ05FU,LJ(CT [mm]
  rrect20% 0.8x0.4 smd paste-0.25 mask+0: 1(-1,0.65) 2(-1,0) 3(-1,-0.65) 4(1,-0.65) 5(1,0) 6(1,0.65)
  silkscreen extent -0.87,-1.17 0.3,1.25
LOG_INV_74LVC1G04GV [mm]
  rect 0.55x0.8 smd paste-0.05 mask+0: 1(-0.95,-1.2) 2(0,-1.2) 3(0.95,-1.2) 4(0.95,1.2) 5(-0.95,1.2)
  silkscreen extent -1.68,-1.35 1.68,0.97
LOG_IOEXP_TCA9539RGER [mm] "24 VQFN"
  rrect10% 0.6x0.24 smd paste+0 mask+0: 1(-1.9,1.25) 2(-1.9,0.75) 3(-1.9,0.25) 4(-1.9,-0.25) 5(-1.9,-0.75) 6(-1.9,-1.25) 13(1.9,-1.25) 14(1.9,-0.75) 15(1.9,-0.25) 16(1.9,0.25) 17(1.9,0.75) 18(1.9,1.25)
  rrect10% 0.24x0.6 smd paste+0 mask+0: 7(-1.25,-1.9) 8(-0.75,-1.9) 9(-0.25,-1.9) 10(0.25,-1.9) 11(0.75,-1.9) 12(1.25,-1.9) 19(1.25,1.9) 20(0.75,1.9) 21(0.25,1.9) 22(-0.25,1.9) 23(-0.75,1.9) 24(-1.25,1.9)
  rrect10% 2.45x2.45 smd paste-5 mask+0: 25(0,0)
  silkscreen extent -2.52,-2.2 2.2,2.2